# Altium PCB PcbLayout.PcbDoc (part 1 of 2) (continued)
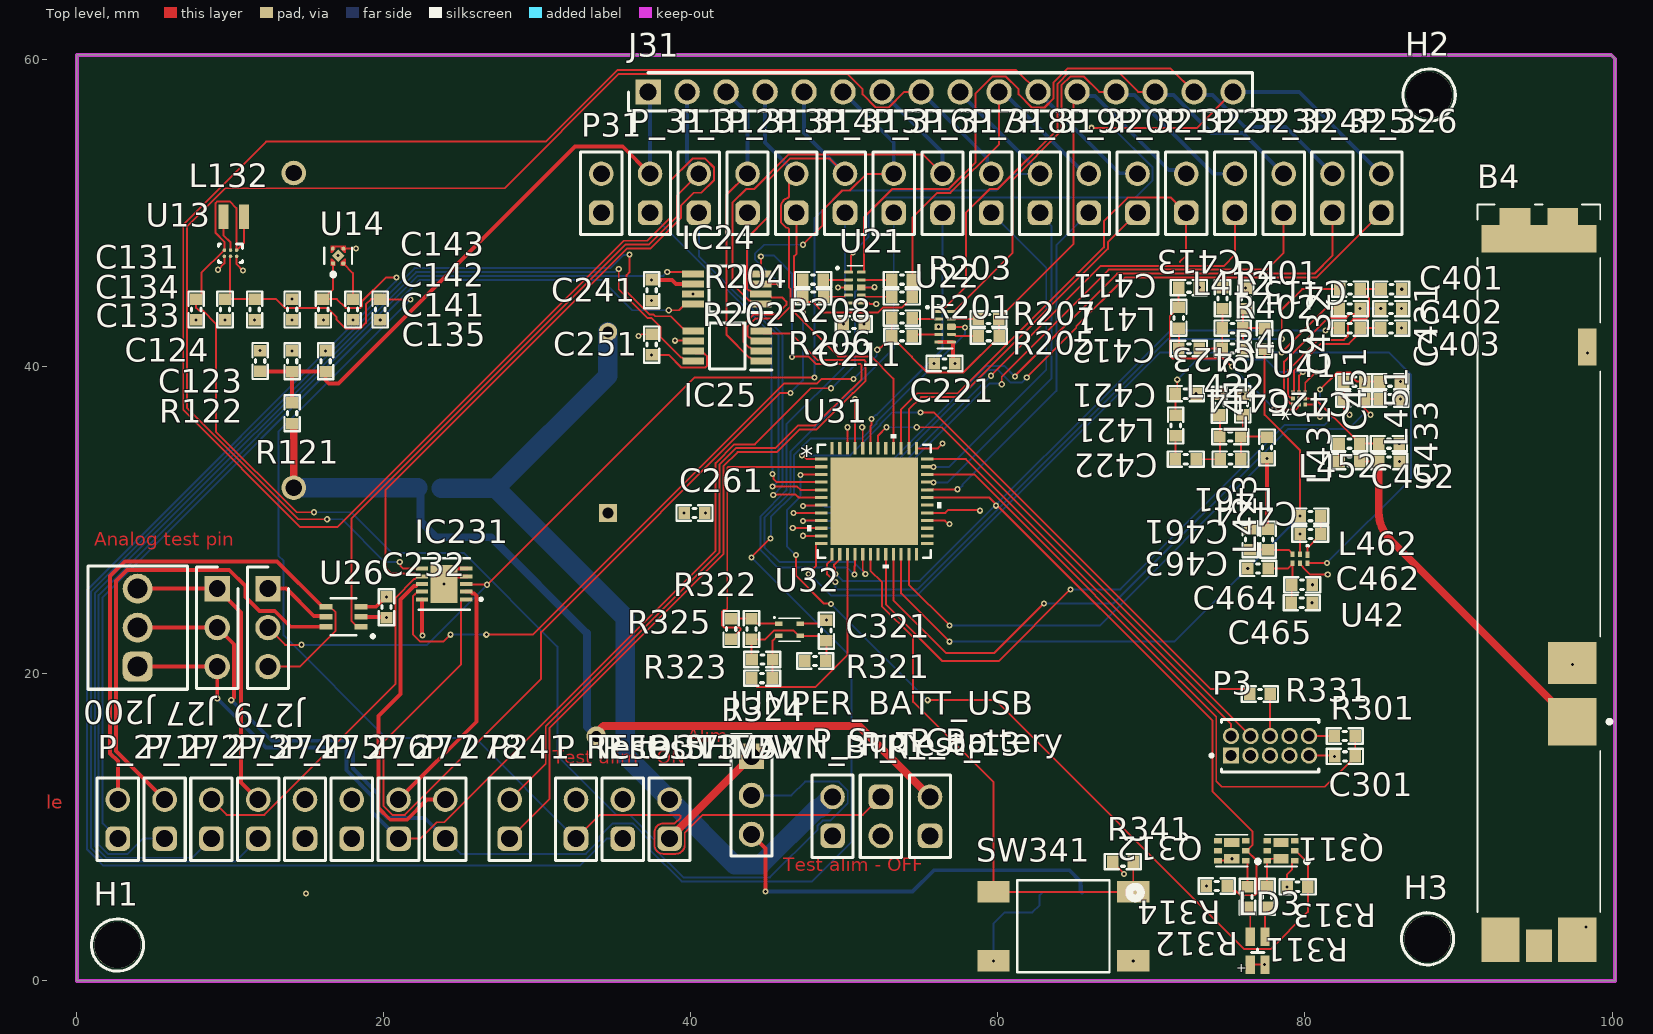
[diagram p0: Top level view]
## Components (designator, comment, footprint, x,y, rotation, side; value= is the part's Value field where it differs from the comment) (continued)
JUMPER_BATT_USB "CONN HEADER VERT 3POS 2.54MM" "CONN HEADER VERT 3POS 2.54MM" 43.942,14.63 r270 top
L132 "2.2µH" INDC2016X10CX 10.225,49.784 r180 top
L411 "8.7nH" INDC1608X06L_WW 71.78,43.195 r90 top
L412 "3nH" INDC1608X06L_WW 75.286,42.52 r180 top
L413 "3.3nH" INDC1608X06L_WW 77.368,41.808 r90 top value=3nH
L421 "8.7nH" INDC1608X06L_WW 71.577,36.184 r90 top
L422 "3.6nH" INDC1608X06L_WW 75.133,35.458 r180 top
L423 "3.6nH" INDC1608X06L_WW 77.521,34.747 r90 top
L431 "11nH" INDC1608X06L_WW 83.214,37.897 r180 top
L451 "24nH" INDC1608X06L_WW 85.482,33.833 r0 top
L452 "1nH" INDC1608X06L_WW 82.891,35.001 r180 top
L461 "33nH" INDC1608X06L_WW 77.593,28.753 r90 top
L462 "47nH" INDC1608X06L_WW 80.351,30.277 r180 top
LD3 "LED RG" LED_RGB_0805 76.911,1.967 r0 top
P3 "FTSH-105-01-F-D-K" HDR_2x5-THT-1.27mm-K 75.184,14.681 r0 top
P31 "Pin header 2p" Pin_header_1x2 34.163,51.308 r90 top
P241_REFOUT_MAX "Pin header 2p" Pin_header_1x2 28.194,10.541 r90 top
P_271 "Pin header 2p" Pin_header_1x2 2.667,10.541 r90 top
P_272 "Pin header 2p" Pin_header_1x2 5.715,10.541 r90 top
P_273 "Pin header 2p" Pin_header_1x2 8.763,10.541 r90 top
P_274 "Pin header 2p" Pin_header_1x2 11.811,10.541 r90 top
P_275 "Pin header 2p" Pin_header_1x2 14.859,10.541 r90 top
P_276 "Pin header 2p" Pin_header_1x2 17.907,10.541 r90 top
P_277 "Pin header 2p" Pin_header_1x2 20.955,10.541 r90 top
P_278 "Pin header 2p" Pin_header_1x2 24.003,10.541 r90 top
P_311 "Pin header 2p" Pin_header_1x2 37.338,51.308 r90 top
P_312 "Pin header 2p" Pin_header_1x2 40.513,51.308 r90 top
P_313 "Pin header 2p" Pin_header_1x2 43.688,51.308 r90 top
P_314 "Pin header 2p" Pin_header_1x2 46.863,51.308 r90 top
P_315 "Pin header 2p" Pin_header_1x2 50.038,51.308 r90 top
P_316 "Pin header 2p" Pin_header_1x2 53.213,51.308 r90 top
P_317 "Pin header 2p" Pin_header_1x2 56.388,51.308 r90 top
P_318 "Pin header 2p" Pin_header_1x2 59.563,51.308 r90 top
P_319 "Pin header 2p" Pin_header_1x2 62.738,51.308 r90 top
P_320 "Pin header 2p" Pin_header_1x2 65.913,51.308 r90 top
P_321 "Pin header 2p" Pin_header_1x2 69.088,51.308 r90 top
P_322 "Pin header 2p" Pin_header_1x2 72.263,51.308 r90 top
P_323 "Pin header 2p" Pin_header_1x2 75.438,51.308 r90 top
P_324 "Pin header 2p" Pin_header_1x2 78.613,51.308 r90 top
P_325 "Pin header 2p" Pin_header_1x2 81.788,51.308 r90 top
P_326 "Pin header 2p" Pin_header_1x2 84.963,51.308 r90 top
P_Battery "Pin header 2p" Pin_header_1x2 55.575,10.719 r90 top
P_SHTDWN_BTRY "Pin header 2p" Pin_header_1x2 38.608,10.541 r90 top
P_Sup_Cap "Pin header 2p" Pin_header_1x2 49.225,10.719 r90 top
P_test_1V5 "Pin header 2p" Pin_header_1x2 35.56,10.541 r90 top
P_Test_3V3 "Pin header 2p" Pin_header_1x2 32.512,10.541 r90 top
P_Test_13 "Pin header 2p" Pin_header_1x2 52.375,10.719 r270 top
Q311 "DMN1029UFDB" MOSFET_DMP2160UFDB-7 78.435,8.486 r180 top
Q312 "DMN1029UFDB" MOSFET_DMP2160UFDB-7 75.235,8.486 r180 top
R110 "*" RESC1608X04.5L 23.063,32.106 r0 bottom
R121 "7.5M" RESC1608X04.5L 14.021,36.982 r90 top
R122 "3.6M" RESC1608X04.5L 16.205,40.371 r90 top
R201 "*" RESC1608X04.5L 53.746,44.568 r0 top
R202 "*" RESC1608X04.5L 47.97,44.568 r180 top
R203 "*" RESC1608X04.5L 53.746,45.685 r0 top
R204 "*" RESC1608X04.5L 47.955,45.685 r180 top
R205 "*" RESC1608X04.5L 59.396,42.004 r0 top
R206 "*" RESC1608X04.5L 53.757,42.004 r180 top
R207 "*" RESC1608X04.5L 59.382,43.121 r0 top
R208 "*" RESC1608X04.5L 53.743,43.172 r180 top
R301 "" RESC1608X04.5L 82.586,15.951 r0 top
R311 "" RESC1608X04.5L 77.521,5.486 r270 top
R312 "" RESC1608X04.5L 76.251,5.472 r270 top
R313 "" RESC1608X04.5L 79.517,6.132 r0 top
R314 "" RESC1608X04.5L 74.255,6.183 r0 top
R321 "" RESC1608X04.5L 48.093,20.843 r180 top
R322 "10k" RESC1608X04.5L 43.942,22.925 r270 top value="10K ohm"
R323 "10k" RESC1608X04.5L 44.653,20.944 r180 top value="10k ohm"
R324 "" RESC1608X04.5L 44.639,19.725 r0 top
R325 "" RESC1608X04.5L 42.621,22.925 r90 top
R331 "" RESC1608X04.5L 77.064,18.694 r180 top
R341 "10k" RESC1608X04.5L 68.137,7.772 r180 top value="10K ohm"
R401 "100R" RESC1608X04.5L 82.935,45.06 r0 top value=100
R402 "100R" RESC1608X04.5L 82.92,43.79 r0 top value=100
R403 "100R" RESC1608X04.5L 82.92,42.52 r180 top value=100
R441 "0R" RESC1608X04.5L 95.86,37.948 r270 bottom value=0
R442 "0R" RESC1608X04.5L 98.501,36.271 r270 bottom value=0
R443 "0R" RESC1608X04.5L 95.961,34.646 r270 bottom value=0
R444 "0R" RESC1608X04.5L 98.501,32.969 r270 bottom value=0
R445 "0R" RESC1608X04.5L 95.961,31.242 r270 bottom value=0
R446 "0R" RESC1608X04.5L 96.331,1.778 r180 bottom value=0
R447 "0R" RESC1608X04.5L 95.352,4.383 r90 bottom value=0
R448 "0R" RESC1608X04.5L 93.675,4.318 r270 bottom value=0
R449 "0R" RESC1608X04.5L 92.71,1.778 r180 bottom value=0
SW341 "PB SW" Switch-PB-6.2x6.3mm-SMD 64.262,3.556 r180 top
U13 "TPS610994YFFT" YFF0006AFAD 10.008,47.4 r270 top
U14 "TPS7A0215PDQNR" DQN0004A-MFG 17.018,47.244 r90 top
U21 "TMUX1104DQAR" TMUX1104DQAR 50.687,45.169 r0 top
U22 "TMUX1104DQAR" TMUX1104DQAR 56.551,42.613 r0 top
U26 "TMUX1119DCKR" SC70_200X125_6N 17.374,23.724 r180 top
U31 "STM32WLE5CCU7" UFQFPN_5CCU7_STM 51.943,31.242 r0 top
U32 "SHT40-AD1B-R2" SHT4X 46.431,22.875 r0 top
U41 "BGS13S4N9E6327XTSA1" TSNP-9-3_INF 79.616,37.948 r90 top
U42 "NX3L1T3157GM,115" XSON6_SOT886_NXP 79.676,27.495 r270 top
U100 "473460001" 47346-0001_MOL 64.179,3.179 r180 bottom

## Footprints (in the part's own frame and the unit in brackets; to place one, negate y for a bottom-side part, rotate by r counter-clockwise, add the part's x,y. Pads: shape width x height; smd on the part's side, far side on the other; paste and mask are expansions set on the pad)
05-08-1699_ADI [mm]
  rect 0.808x0.255 smd paste+0 mask+0: 1(-1.445,1) 2(-1.445,0.5) 3(-1.445,0) 4(-1.445,-0.5) 5(-1.445,-1) 6(1.445,-1) 7(1.445,-0.5) 8(1.445,0) 9(1.445,0.5) 10(1.445,1)
  rect 1.753x2.489 smd paste+0 mask+0: 11(0,0)
  silkscreen extent -2.5,-1.68 1.68,1.68, body extent -1.55,-1.55 1.55,1.55, height 0.81
47346-0001_MOL [mil]
  rect 18x54 smd paste+0 mask+0: 1(-51.18,101.58) 2(-25.59,101.58) 3(0,101.58) 4(25.59,101.58) 5(51.18,101.58)
  rect 61x56 smd paste-30.5 mask-30.5: 6(-97.93,98.24) 7(97.93,98.24)
  rect 51x65 smd paste-32.5 mask-32.5: 8(-132.87,-3.14) 9(132.87,-3.14)
  rect 71x75 smd paste-37.5 mask-37.5: 10(-45.28,-3.14)
  rect 39x75 smd paste-37.5 mask-37.5: 11(61,-3.14)
  silkscreen extent -202,-118 117,117
BatteryHolder2477 [mil]
  round 63 hole 42: N(0,255.91) P(0,-551.18)
  silkscreen extent -545,-630 545,545, body extent -545,-630 545,545, height 540
CAPC1608X06L [mm]
  rect 0.75x0.8 smd: 1(-0.675,0) 2(0.675,0)
  silkscreen extent -1.17,-0.5 1.17,0.5, body extent -0.8,-0.43 0.8,0.43, height 0.8
"CONN HEADER VERT 3POS 2.54MM" [mm]
  rect 1.65x1.65 hole 1.1: 1(0,0)
  round 1.65 hole 1.1: 2(2.54,0) 3(5.08,0)
  silkscreen extent -1.42,-1.35 6.5,1.35, body extent -1.27,-1.27 6.35,1.27, height 8.69
CONN_3P_691210910003 [mm] "2,54mm - modular - green - Horizontal wire entry - Cage clamp - 0,8mm2 wires - 03p"
  rrect50% 1.95x1.95 hole 1.3: 1(-2.54,0)
  round 1.95 hole 1.3: 2(0,0) 3(2.54,0)
  silkscreen extent -4.01,-3.25 4.01,3.25, body extent -4.01,-3.25 4.01,3.25, height 8.55
DQN0004A-MFG [mm]
  round 0.279 smd paste-0.127 mask-0.127: 1(-0.505,0.33) 2(-0.505,-0.33)
  round 0.251 smd paste-0.113 mask-0.114: 3(0.459,-0.346) 4(0.459,0.346)
  rect 0.58x0.58 smd rot 135 paste-0.277 mask-0.279: 5(0,0)
  Top level region: -0.66,0.175 -0.66,0.485 -0.2,0.485 -0.2,0.385 -0.41,0.175
  Top level region: 0.66,-0.175 0.66,-0.485 0.2,-0.485 0.2,-0.385 0.41,-0.175
  Top level region: 0.66,0.175 0.66,0.485 0.2,0.485 0.2,0.385 0.41,0.175
  Top level region: -0.66,-0.175 -0.66,-0.485 -0.2,-0.485 -0.2,-0.385 -0.41,-0.175
  silkscreen extent -1.35,-0.9 0.53,0.9
HDR_2x5-THT-1.27mm-K [mm]
  rect 1.06x1.06 hole 0.71 mask+0.05: 01(0,0)
  round 1.06 hole 0.71 mask+0.05: 02(0,1.27) 03(1.27,0) 04(1.27,1.27) 05(2.54,0) 06(2.54,1.27) 07(3.81,0) 08(3.81,1.27) 09(5.08,0) 10(5.08,1.27)
  silkscreen extent -1.37,-1.08 5.71,2.35, body extent -0.63,-1.89 5.72,3.19, height 5.73
HOLE_NP_3MM [mm]
  round 3 hole 3 unplated paste+0 mask+0: 1(0,0)
  silkscreen extent -1.7,-1.7 1.7,1.7
INDC1608X06L_WW [mm]
  rect 0.75x0.8 smd: 1(-0.675,0) 2(0.675,0)
  silkscreen extent -1.17,-0.5 1.17,0.5, body extent -0.8,-0.45 0.8,0.45, height 0.81
INDC2016X10CX [mm]
  rect 0.65x1.6 smd: 1(-0.675,0) 2(0.675,0)
  body extent -1,-0.8 1,0.8, height 1
LED_RGB_0805 [mm]
  rect 0.6x1.2 smd paste+0 mask+0.05: 1(-0.475,0.9) 2(0.475,0.9) 3(0.475,-0.9) 4(-0.475,-0.9)
  silkscreen extent -0.41,-0.1 0.41,0.1, body extent -0.63,-1 0.63,1, height 0.45
MAX5523EUA+ [mm]
  rect 1.425x0.45 smd: 1(-2.212,0.975) 2(-2.212,0.325) 3(-2.212,-0.325) 4(-2.212,-0.975) 5(2.212,-0.975) 6(2.212,-0.325) 7(2.212,0.325) 8(2.212,0.975)
  silkscreen extent -2.93,-1.5 1.15,1.55, body extent -2.45,-1.5 2.45,1.5, height 1.1
MOSFET_DMP2160UFDB-7 [mm]
  rect 0.5x0.35 smd mask+0.04: 1(-0.9,0.65)
  rect 0.5x0.35 smd mask+0.05: 2(-0.9,0) 3(-0.9,-0.65) 4(0.9,-0.65) 5(0.9,0) 6(0.9,0.65)
  rect 1x0.6 smd mask+0.05: 3(0,-0.525) 6(0,0.525)
  silkscreen extent -1.8,-1.04 1.04,1.04, body extent -1.11,-1 1.11,1, height 0.7
P822601 [mm]
  rect 3.1x3.15 smd: 1(-8.9,-2.175)
  rect 2.73x3.15 smd: 2(-5.085,-2.175)
  rect 1.8x7.5 smd: 3(22.55,0)
  rect 1.1x2 smd: 3_1(24,1.55) 3_2(24,-1.55)
  rect 2.4x1.2 smd: 4(15.5,-3.15)
  rect 2.9x2.5 smd: 5(-23.1,2.5) 7(-23.1,-2.5)
  rect 2.1x1.7 smd: 6(-23.5,0)
  silkscreen extent -21.3,-4.7 24.8,4, body extent -24.8,-4 24.8,4, height 3.52
Pin_header_1x2 [mm] "Pin Header, pitch 2.54 mm, THT, Vertical, single row, 2p"
  rrect50% 1.6x1.6 hole 1.1: 1(-1.27,0)
  round 1.6 hole 1.1: 2(1.27,0)
  silkscreen extent -2.69,-1.35 2.69,1.35, body extent -2.54,-1.27 2.54,1.27, height 8.57
PinStrip_16p [mm]
  rect 1.65x1.65 hole 1.1: 1(0,0)
  round 1.65 hole 1.1: 2(2.54,0) 3(5.08,0) 4(7.62,0) 5(10.16,0) 6(12.7,0) 7(15.24,0) 8(17.78,0) 9(20.32,0) 10(22.86,0) 11(25.4,0) 12(27.94,0) 13(30.48,0) 14(33.02,0) 15(35.56,0) 16(38.1,0)
  silkscreen extent -1.27,-1.25 39.37,1.25, body extent -1.27,-1.25 39.37,1.25, height 8.47
RESC1608X04.5L [mm]
  rect 0.75x0.8 smd: 1(-0.675,0) 2(0.675,0)
  silkscreen extent -1.17,-0.5 1.17,0.5, body extent -0.77,-0.43 0.77,0.43, height 0.55
SC70_200X125_6N [mil]
  rect 33.5x14 smd paste+0 mask+2: 1(-44.75,25.59) 2(-44.75,0) 3(-44.75,-25.59) 4(44.75,-25.59) 5(44.75,0) 6(44.75,25.59)
  silkscreen extent -79,-48 33,54, body extent -48,-43 48,43, height 43
SHT4X [mm]
  rect 0.5x0.3 smd: 1(-0.7,0.4) 2(-0.7,-0.4) 3(0.7,-0.4) 4(0.7,0.4)
  silkscreen extent -1.05,-0.75 0.7,0.85, body extent -0.75,-0.75 0.75,0.75, height 0.54
Switch-PB-6.2x6.3mm-SMD [mm]
  rect 2.1x1.4 smd: 1(-4.55,2.25) 1(4.55,2.25) 2(-4.55,-2.25) 2(4.55,-2.25)
  silkscreen extent -3,-3 3,3, body extent -5,-3 5,3, height 4.39
TH_SUPCAP_PHVL3R9V474R [mm]
  rect 1.2x1.2 hole 0.7: 1(0,0)
  round 1.2 hole 0.7: 2(11.8,0)
  silkscreen extent -2.75,-4.5 14.55,4.5, body extent -2.5,-4.29 14.3,4.21, height 13.65
TMUX1104DQAR [mm]
  rrect50% 0.565x0.2 smd mask+0.05: 1(-0.417,1) 2(-0.417,0.5) 4(-0.417,-0.5) 5(-0.417,-1) 6(0.417,-1) 7(0.417,-0.5) 9(0.417,0.5) 10(0.417,1)
  rrect25% 0.565x0.4 smd paste-1 mask+0.05: 3(-0.417,0) 8(0.417,0)
  silkscreen extent -1.22,-1.42 0.5,1.42, body extent -0.5,-1.25 0.5,1.25, height 0.55
TSNP-9-3_INF [mil]
  rect 10x10 smd paste+0 mask+0: 1(-15.5,15.75) 2(-15.5,0) 3(-15.5,-15.75) 4(0,-15.5) 5(15.5,-15.75) 6(15.5,0) 7(15.5,15.75) 8(0,15.5) 9(0,0)
UFQFPN_5CCU7_STM [mil]
  rect 32x8 smd paste+0 mask+0: 1(-136,108.3) 2(-136,88.61) 3(-136,68.91) 4(-136,49.22) 5(-136,29.53) 6(-136,9.84) 7(-136,-9.84) 8(-136,-29.53) 9(-136,-49.22) 10(-136,-68.91) 11(-136,-88.61) 12(-136,-108.3) 25(136,-108.3) 26(136,-88.61) 27(136,-68.91) 28(136,-49.22) 29(136,-29.53) 30(136,-9.84) 31(136,9.84) 32(136,29.53) 33(136,49.22) 34(136,68.91) 35(136,88.61) 36(136,108.3)
  rect 8x32 smd paste+0 mask+0: 13(-108.3,-136) 14(-88.61,-136) 15(-68.91,-136) 16(-49.22,-136) 17(-29.53,-136) 18(-9.84,-136) 19(9.84,-136) 20(29.53,-136) 21(49.22,-136) 22(68.91,-136) 23(88.61,-136) 24(108.3,-136) 37(108.3,136) 38(88.61,136) 39(68.91,136) 40(49.22,136) 41(29.53,136) 42(9.84,136) 43(-9.84,136) 44(-29.53,136) 45(-49.22,136) 46(-68.91,136) 47(-88.61,136) 48(-108.3,136)
  rect 224x224 smd paste-111.5 mask+0: 49(0,0)
  silkscreen extent -172,-172 172,172, body extent -140,-140 140,140, height 24
XSON6_SOT886_NXP [mil]
  rect 16x10 smd paste+0 mask+0: 1(-10.5,19.68)
  rect 14x10 smd paste+0 mask+0: 2(-11.5,0) 3(-11.5,-19.69) 4(11.5,-19.69) 5(11.5,0) 6(11.5,19.68)
  silkscreen extent -35,17 -32,23, body extent -21,-29 21,29, height 20
YFF0006AFAD [mm]
  round 0.23 smd paste-0.102 mask+0.038: A1(-0.2,0.4) A2(0.2,0.4) B1(-0.2,0) B2(0.2,0) C1(-0.2,-0.4) C2(0.2,-0.4)
  silkscreen extent -0.61,-0.78 0.61,0.78

## Part data
B4: "AVX - P822601 - EMBEDDED ANTENNA, 1.7-2.7GHZ, 3.4DBI", Manufacturer_Name=AVX, Mouser Part Number=581-P822601, Datasheet Link=http://datasheets.avx.com/ethertronics/AVX-E_P822601-P822602.pdf, Geometry.Height=3.5mm, Manufacturer_Part_Number=P822601, Mouser Price/Stock=https://www.mouser.co.uk/ProductDetail/AVX/P822601?qs=vdi0iO8H4N0igrTLYxGIXg%3D%3D
BT?: "Battery holder for coin battery, modello BH1000G"
C111: library part PHVL-3R9V474-R, "Supercapacitors 0.47F, 3.9V working voltage, 5V surge voltage, 1µA leak current"
C123 C124 C131 C133 C134 C135 C141 C142 C143 C211 C221 C232 C241 C251 C261 C301 C321 C401 C402 C403 C411 C412 C413 C414 C415 C421 C422 C423 C424 C425 C431 C432 C433 C451 C452 C461 C462 C463 C464 C465: library part C0603-4µ7, "Capacitor, X5R, ±10%"
H1 H2 H3: library part Hole_3MM_NP, "Regular Non-Plated, 3mm hole"
IC24 IC25: "Integrated Circuit", Manufacturer_Name="Analog Devices", Mouser Part Number=700-MAX5523EUA, Datasheet Link=https://pdfserv.maximintegrated.com/en/ds/MAX5522-MAX5525.pdf, Height=1.1mm, Manufacturer_Part_Number=MAX5523EUA+, Mouser Price/Stock=https://www.mouser.co.uk/ProductDetail/Analog-Devices-Maxim-Integrated/MAX5523EUA%2b?qs=9Cj2FLRihcNj5G7tv6WL1A%3D%3D
IC231: "No Description Available", Mfr_Name="Analog Devices Inc", RefDes=RefDes, Type=Linear
J27 J279 JUMPER_BATT_USB: "Connector", Manufacturer_Name="Wurth Elektronik", Manufacturer_Part_Number=61300311121, Mouser Part Number=710-61300311121, Datasheet Link=http://katalog.we-online.de/em/datasheet/6130xx11121.pdf, Height=8.69mm, Mouser Price/Stock=https://www.mouser.co.uk/ProductDetail/Wurth-Elektronik/61300311121?qs=PhR8RmCirEYxRWFJzNKsUw%3D%3D
J31: "Connector", Arrow Part Number=PH1-16-UA, Manufacturer_Name="Adam Tech", Arrow Price/Stock=https://www.arrow.com/en/products/ph1-16-ua/adam-tech?region=nac, Datasheet Link=https://www.arrow.com/en/products/ph1-16-ua/adam-tech, Height=8.469mm, Manufacturer_Part_Number=PH1-16-UA
J200: library part CONN_3P_691210910003, "WR-TBL Series 2109 Horizontal Entry, THT, pitch 2.54mm, 3p", Manufacturer="Wurth Elektronik", Operating Temperature Max=105°C, Operating Temperature Min=-40°C, Rated Current=6A, Working Voltage=150V, Application="Rising Cage Clamp", Category="Terminal Blocks", ComponentLink1Description="Website Link", ComponentLink1URL=https://www.we-online.com/redexpert/article/691210910003?ad, ComponentLink2Description="Datasheet Link", ComponentLink2URL=https://www.we-online.com/redexpert/spec/691210910003?ad, Manufacturer Part Number=691210910003, Match Code=WR-TBL, Modularity=No, Mount="Through Hole", Number of Pins=3, Number of Rows=1, Orientation=Horizontal, Packaging=Box, Pitch=2.54mm
L132: library part L0806-2µ2-1.53A-163mOhm-TDK, "Shielded wirewound Inductor 1.53 A 163mOhm, ±20%", Package="NON STANDARD-2 TDK", Availability="In Stock", Check_prices=https://www.snapeda.com/parts/VLS201610CX-2R2M-1/TDK/view-part/?ref=eda, MF="TDK Corporation", MP=VLS201610CX-2R2M-1, Price=None, Purchase-URL=https://pricing.snapeda.com/search/part/VLS201610CX-2R2M-1/?ref=eda, SnapEDA_Link=https://www.snapeda.com/parts/VLS201610CX-2R2M-1/TDK/view-part/?ref=snap
L411 L412 L413 L421 L422 L423 L431 L451 L452 L461 L462: library part L0603-33n-Wirewound-Murata, "Inductor, 420mA, ±5%, 230mΩ, Q=40"
LD3: library part APHBM2012LSURKZGKC, "Red green LED 2 mm x 1.25 mm SMD"
P3: library part "Pin Header 2x5 THT, 1.27mm KS", "Connector Header Through Hole 10 position 0.050 (1.27mm)", Package=None, Availability=Bad, MF=Samtec, MP=FTSH-105-01-F-D-K, Price=None, SnapEDA_Link=https://www.snapeda.com/parts/FTSH-105-01-F-D-K/Samtec%20Inc./view-part/229423/?ref=snap, Toby_UK-Purchase-URL=https://snapeda.com/shop?store=Toby+UK&id=229423
P31 P241_REFOUT_MAX P_271 P_272 P_273 P_274 P_275 P_276 P_277 P_278 P_311 P_312 P_313 P_314 P_315 P_316 P_317 P_318 P_319 P_320 P_321 P_322 P_323 P_324 P_325 P_326 P_Battery P_SHTDWN_BTRY P_Sup_Cap P_test_1V5 P_Test_3V3 P_Test_13: "Pin Header, THT, Vertical, pitch 2.54mm, 1 Row, 2P"
Q311 Q312: "Dual N Ch MOFET, 5.6A, 29mOhm max, 1.4W"
R110 R121 R122 R201 R202 R203 R204 R205 R206 R207 R208 R301 R311 R312 R313 R314 R321 R322 R323 R324 R325 R331 R341 R401 R402 R403 R441 R442 R443 R444 R445 R446 R447 R448 R449: library part R0603, "Resistor, ±1%, 0.063W"
SW341: library part Switch-PB-6.2x6.3mm-SMD, "Tactile Switch, SPNO, SMD, 160gf, 6.2x6.3x2.5mm"
U13 U14: "No Description Available", Mfr_Name="Texas Instruments", RefDes=RefDes, Type=TYPE
U21 U22: "Multiplexer 4:1, 3-pA on-state leakage current, 1.08v - 5V supply range"
U26: "2:1 precision switch, low leakage current, 1.08v - 5V supply range", Package="SOT-SC70-6 Texas Instruments", Availability=Unavailable, MF="Texas Instruments", MP=TMUX1119DCKR, Price=None, SnapEDA_Link=https://www.snapeda.com/parts/TMUX1119DCKR/Texas%20Instruments/view-part/3222194/?ref=snap, Texas_Instruments-Purchase-URL=https://snapeda.com/shop?store=Texas+Instruments&id=3222194
U31: "No Description Available", Mfr_Name=STMicroelectronics, RefDes=RefDes, Type=Type
U32: "Humidity/Temperature Sensor Digital Serial (I2C) 4-Pin DFN EP T/R", Package=None, Availability="In Stock", Check_prices=https://www.snapeda.com/parts/SHT40-AD1B-R2/NSI/view-part/?ref=eda, MF="Sensirion AG", MP=SHT40-AD1B-R2, Price=None, Purchase-URL=https://pricing.snapeda.com/search/part/SHT40-AD1B-R2/?ref=eda, SnapEDA_Link=https://www.snapeda.com/parts/SHT40-AD1B-R2/NSI/view-part/?ref=snap
U41: "No Description Available", Mfr_Name=Infineon, RefDes=RefDes, Type=Type
U42: "No Description Available", Mfr_Name=NXP, RefDes=RefDes, Type=Type
U100: "No Description Available", Mfr_Name="Molex Connector Corporation", RefDes=RefDes, Type=Type

## Via types
v1: diameter 0.4, hole 0.2, Top level to Bottom level, 99 vias
v2: diameter 0.4, hole 0.2, Top level to GND, 51 vias
v3: diameter 0.4, hole 0.2, Top level to VDD Islands, 22 vias
v4: diameter 1.27, hole 0.711, Top level to Bottom level, 2 vias

## Nets (pads, with @x,y where several pads share a name; then routed paths per layer and width w, separated by ;. In a path a pad name is that pad's centre, name@x,y a point inside that pad or via, vN(x,y) a via of type N, cw(c..) or ccw(c..) an arc to the next point about the centre after c; other vN are vias at no path point)
1V5: C143.2 P_test_1V5.2 U31.29 U31.45 | length 6.8
  Top level w0.127: U31.45@50.693,34.696 50.696,34.699 50.696,37.894 v3(50.698,37.897) ; U31.29@55.397,30.492 56.58,30.492 56.771,30.683 58.776,30.683 v3(58.826,30.632)
  VDD Islands w0.508: v3(58.826,30.632) v3@58.877,30.683
  other v3: 14.021,44.414
3V3: C211.1 C221.1 C232.1 C241.1 C251.1 C261.1 IC24.6 IC25.6 IC231.10 LD3.3 LD3.4 P31.1 P_Test_3V3.2 R321.2 R341.2 U14.3 U14.4 U21.5 U21.6 U22.5 U22.6 U26.2 U31.11 U42.5 | length 20.2
  Top level w0.127: U14.4@16.672,47.703 16.706,47.703 16.847,47.845 17.189,47.845 17.33,47.703 U14.3@17.364,47.703 17.365,47.702 v3(18.186,47.701) v3(18.186,47.701) ; v3(36.576,42.012) 36.65,42.012 36.766,42.128 C251.1@37.44,42.128 ; v3(38.964,41.707) 40.124,41.707 IC25.6@40.155,41.676 ; v3@47.295,29.007 v3(47.302,28.999) 47.31,28.991 U31.11@48.489,28.991 ; U21.5@50.27,44.169 U21.6@51.105,44.169 51.578,44.169 51.653,44.094 v3(52.07,44.094) ; R341.2@67.462,7.772 67.462,7.747 68.206,7.004 v3(68.206,6.978) ; LD3.4@76.436,1.067 v3(77.368,1.067) ; U42.5@79.676,27.203 79.676,27.153 79.858,26.97 79.858,26.947 80.338,26.467 v3(81.483,26.467)
  Top level w0.254: U26.2@18.51,23.724 18.536,23.698 20.142,23.698 v3(20.168,23.673) ; IC231.10@22.481,24.857 22.481,22.527 v3(22.504,22.504) ; v3(37.44,45.669) 38.761,45.669 39.025,45.405 IC24.6@40.128,45.405 ; U22.5@56.134,41.613 U22.6@56.969,41.613 57.053,41.613 57.08,41.586 57.08,40.336 v3(57.19,40.226)
  other v3: 40.945,30.48 51.286,42.79
A0_Drain: J31.14 P_324.2 U22.1 | length 36.2
  Top level w0.127: U22.1@56.134,43.613 56.317,43.613 57.915,45.212 57.915,50.025 59.477,51.587 59.973,51.587 63.88,55.495 63.88,58.437 64.625,59.181 67.858,59.181 69.127,57.912 J31.14@70.231,57.912
  Bottom level w0.254: J31.14@70.231,57.912 70.423,57.72 71.437,57.72 73.917,55.24 75.951,55.24 P_324.2@78.613,52.578
A0_Gate: J31.16 P_326.2 U21.1 | length 51.8
  Top level w0.127: U21.1@50.27,46.169 50.402,46.169 50.439,46.206 50.439,47.266 50.546,47.373 v1(50.546,47.447) ; v1(66.091,55.575) 72.974,55.575 J31.16@75.311,57.912
  Bottom level w0.127: v1(50.546,47.447) 51.557,48.458 51.557,50.017 52.568,51.029 68.939,51.029 70.079,52.168 70.079,52.988 67.492,55.575 v1(66.091,55.575)
  Bottom level w0.254: J31.16@75.311,57.912 79.629,57.912 P_326.2@84.963,52.578
A1_Drain: J31.13 P_323.2 U22.10 | length 32
  Top level w0.127: U22.10@56.969,43.613 57.152,43.613 60.959,47.421 60.959,52.2 64.134,55.375 64.134,58.332 64.73,58.927 65.572,58.927 66.587,57.912 J31.13@67.691,57.912
  Bottom level w0.254: J31.13@67.691,57.912 67.883,57.72 68.897,57.72 74.039,52.578 P_323.2@75.438,52.578
A1_Gate: J31.15 P_325.2 U21.10 | length 46.2
  Top level w0.127: U21.10@51.105,46.169 51.237,46.169 51.274,46.206 51.274,49.734 53.127,51.587 56.798,51.587 58.546,53.336 58.546,57.824 59.65,58.927 60.492,58.927 61.341,58.078 61.341,57.746 62.19,56.897 63.032,56.897 63.626,57.491 63.626,58.542 64.52,59.435 71.248,59.435 J31.15@72.771,57.912
  Bottom level w0.254: J31.15@72.771,57.912 72.963,57.72 73.977,57.72 76.076,55.621 78.745,55.621 P_325.2@81.788,52.578
ANALOG1: C123.2 C124.2 J31.1 P_311.2 R121.2 R122.1 | length 40.6
  Top level w0.127: C123.2@14.006,39.711 C123.2@14.021,39.696
  Top level w0.254: C124.2@11.938,39.711 C123.2@14.006,39.711 ; R121.2@14.021,37.657 C123.2@14.021,39.696 R122.1@16.205,39.696 16.205,39.131 16.411,38.925 17.031,38.925 32.461,54.356 35.56,54.356 P_311.2@37.338,52.578
  Bottom level w0.254: J31.1@37.211,57.912 37.338,57.785 P_311.2@37.338,52.578
ANALOG2: J31.2 P_312.2 U26.1 | length 45.8
  Top level w0.127: U26.1@18.51,23.074 18.263,23.074 17.894,23.442 17.894,30.131 35.727,47.963 37.257,47.963 39.107,49.813 39.107,51.172 P_312.2@40.513,52.578
  Bottom level w0.254: J31.2@39.751,57.912 39.751,53.34 P_312.2@40.513,52.578
ANALOG3: IC25.1 J31.3 P_313.2 | length 19.9
  Top level w0.127: P_313.2@43.688,52.578 42.316,51.206 42.316,42.082 43.788,40.61 43.857,40.61 44.092,40.376 IC25.1@44.579,40.376
  Bottom level w0.254: J31.3@42.291,57.912 43.688,56.515 P_313.2@43.688,52.578
ANALOG4: IC25.3 J31.4 P_314.2 | length 20.6
  Top level w0.127: IC25.3@44.579,41.676 44.092,41.676 43.857,41.91 43.788,41.91 43.676,42.022 43.676,42.63 44.209,43.163 45.706,43.163 46.475,43.932 46.475,45.077 46.391,45.162 46.391,48.981 46.306,49.065 46.201,49.065 46.045,49.22 45.872,49.393 45.872,49.638 45.872,50.438 cw(c46.463,50.438) 46.32,51.011 46.343,51.034 46.38,51.072 46.38,52.095 P_314.2@46.863,52.578
  Bottom level w0.254: J31.4@44.831,57.912 44.831,54.61 P_314.2@46.863,52.578
ANALOG5: IC24.2 IC25.2 J31.5 P_315.2 | length 29.1
  Top level w0.127: IC25.2@44.579,41.026 44.092,41.026 43.857,41.26 43.788,41.26 43.422,41.626 43.422,42.735 44.104,43.417 45.601,43.417 46.221,44.037 46.221,44.254 45.955,44.52 45.274,44.52 45.039,44.755 44.064,44.755 43.83,44.989 43.76,44.989 43.649,45.101 43.649,48.364 45.051,49.766 45.051,52.166 46.453,53.569 49.047,53.569 P_315.2@50.038,52.578
  Bottom level w0.254: J31.5@47.371,57.912 47.371,55.245 P_315.2@50.038,52.578
ANALOG6: IC24.3 J31.6 P_316.2 | length 22.3
  Top level w0.127: IC24.3@44.552,45.405 45.76,45.405 v1(45.771,45.415) ; v1(47.295,47.955) 48.575,49.235 48.575,50.21 49.854,51.489 50.35,51.489 51.439,52.578 P_316.2@53.213,52.578
  Bottom level w0.127: v1(45.771,45.415) 44.161,47.025 44.161,47.355 44.761,47.955 v1(47.295,47.955)
  Bottom level w0.254: J31.6@49.911,57.912 53.213,54.61 P_316.2@53.213,52.578
ANALOG7: IC24.1 J31.7 P_317.2 | length 30.1
  Top level w0.127: IC24.1@44.552,44.105 44.064,44.105 43.83,44.339 43.76,44.339 42.697,45.402 42.697,50.683 43.602,51.587 44.113,51.587 46.348,53.823 55.143,53.823 P_317.2@56.388,52.578
  Bottom level w0.254: J31.7@52.451,57.912 56.388,53.975 P_317.2@56.388,52.578
ANALOG8: IC231.6 J31.8 P_318.2 | length 92.3
  Top level w0.127: v1(16.307,30.074) 14.417,30.074 7.182,37.309 7.182,49.169 9.651,51.638 27.864,51.638 35.306,59.08 50.179,59.08 51.181,58.078 51.181,57.746 52.03,56.897 52.872,56.897 53.887,57.912 J31.8@54.991,57.912 ; v1(21.031,27.28) 21.083,27.227 21.083,27.025 21.251,26.857 IC231.6@22.481,26.857
  Bottom level w0.127: v1(16.307,30.074) 17.272,30.074 20.066,27.28 v1(21.031,27.28)
  Bottom level w0.254: J31.8@54.991,57.912 59.305,53.598 59.305,52.836 P_318.2@59.563,52.578
ANALOG9: IC231.3 J31.9 J279.2 P_319.2 | length 78.4
  Top level w0.127: J279.2@12.446,23.012 13.564,21.895 14.63,21.895 v1(14.635,21.899) ; IC231.3@25.372,25.857 25.398,25.832 26.695,25.832 v1(26.721,25.806) 40.234,39.319 v1(48.057,39.319)
  Bottom level w0.127: v1(14.635,21.899) 14.639,21.895 22.809,21.895 v1(26.721,25.806) ; v1(48.057,39.319) 48.057,49.692 49.854,51.489 59.875,51.489 60.964,52.578 P_319.2@62.738,52.578
  Bottom level w0.254: J31.9@57.531,57.912 57.531,57.848 62.738,52.642 P_319.2@62.738,52.578
ANALOG10: IC231.1 J31.10 P_320.2 R201.2 R202.2 R203.2 R204.2 | length 95.7
  Top level w0.127: IC231.1@25.372,24.857 25.096,24.857 25.032,24.793 25.032,20.631 19.964,15.563 19.964,11.401 20.545,10.82 21.365,10.82 30.235,19.69 30.235,22.723 45.815,38.303 v1(46.482,38.303) ; R204.2@47.28,45.685 47.295,45.671 R202.2@47.295,44.568 R202.2@47.295,44.543 ; v1(47.295,43.536) R202.2@47.295,44.543 ; J31.10@60.071,57.912 60.071,54.501 56.903,51.333 56.048,51.333 54.421,49.706 R203.2@54.421,45.685 R201.2@54.421,44.568 54.421,44.543 53.757,43.879 52.515,43.879 52.172,43.536 48.632,43.536 47.937,44.231 47.606,44.231 R202.2@47.295,44.543
  Bottom level w0.127: v1(46.482,38.303) 47.295,39.116 v1(47.295,43.536)
  Bottom level w0.254: J31.10@60.071,57.912 60.325,57.912 65.659,52.578 P_320.2@65.913,52.578
ANALOG11: IC231.7 J31.11 P_273.2 P_321.2 | length 193.1
  Top level w0.127: P_273.2@8.763,11.811 9.754,10.82 12.221,10.82 20.758,19.357 20.758,24.974 21.96,26.175 22.023,26.175 IC231.7@22.205,26.357 ; J31.11@62.611,57.912 61.189,59.334 35.201,59.334 30.54,54.673 12.327,54.673 6.928,49.274 6.928,37.204 14.566,29.566 16.97,29.566 35.621,48.217 37.152,48.217 38.627,49.692 38.627,52.093 40.103,53.569 40.923,53.569 41.504,52.988 41.504,52.168 40.68,51.344 40.184,51.344 39.361,50.521 39.361,49.707 37.362,47.709 35.832,47.709 20.117,31.994 20.117,26.924 20.502,26.539 22.023,26.539 IC231.7@22.205,26.357 ; IC231.7@22.205,26.357 IC231.7@22.481,26.357 IC231.7@22.205,26.357
  Bottom level w0.254: J31.11@62.611,57.912 67.907,52.616 69.05,52.616 P_321.2@69.088,52.578
ANALOG12: IC231.9 J31.12 P_322.2 R205.2 R206.2 R207.2 R208.2 | length 80.6
  Top level w0.127: IC231.9@22.481,25.357 22.205,25.357 22.023,25.175 21.998,25.175 21.887,25.064 21.887,22.57 22.343,22.114 23.892,22.114 v1(24.333,22.555) ; v1(26.67,22.555) 29.708,22.555 46.082,38.929 48.219,38.929 48.507,39.218 v1(50.597,39.218) ; v1(52.139,41.115) 52.275,41.251 52.355,41.251 R206.2@53.082,41.979 ; R208.2@53.068,43.172 53.082,43.157 R206.2@53.082,42.004 R206.2@53.082,41.979 ; J31.12@65.151,57.912 64.922,57.683 64.922,48.012 60.057,43.146 R207.2@60.057,43.121 60.071,43.107 R205.2@60.071,42.004 60.071,41.979 57.728,39.635 55.386,39.635 54.39,40.631 54.39,40.671 R206.2@53.082,41.979
  Bottom level w0.127: v1(24.333,22.555) v1(26.67,22.555) ; v1(50.597,39.218) 52.104,40.725 52.104,41.08 v1(52.139,41.115)
  Bottom level w0.254: J31.12@65.151,57.912 65.418,57.645 66.314,57.645 71.123,52.836 72.005,52.836 P_322.2@72.263,52.578
BT_POS: BT?.P P_Battery.2 R110.1 R121.1 | length 59.6
  Top level w0.127: R121.1@14.021,36.307 R121.1@14.122,36.206
  Top level w0.508: BT?.P@14.122,32.129 R121.1@14.122,36.206 ; v4(33.834,15.924) 33.834,16.13 34.308,16.605 34.308,16.612 50.952,16.612 P_Battery.2@55.575,11.989
  Bottom level w0.127: R110.1@22.208,32.129 R110.1@22.388,32.309
  Bottom level w0.508: R110.1@22.388,32.106 22.388,29.936 23.419,28.905 26.975,28.905 33.223,22.657 33.223,16.561 33.834,15.95 v4(33.834,15.924)
  Bottom level w1.27: BT?.P@14.122,32.129 R110.1@22.208,32.129
CS_DRAIN_MICRO: P_313.1 U31.6 | length 22.8
  Top level w0.127: v1(45.364,31.648) 45.415,31.699 46.811,31.699 47.018,31.492 U31.6@48.489,31.492
  Bottom level w0.127: v1(43.688,50.038) 43.688,44.406 45.964,42.131 45.964,32.248 v1(45.364,31.648)
CS_GATE_MICRO: P_317.1 U31.43 | length 17.3
  Top level w0.127: U31.43@51.693,34.696 51.693,36.144 51.752,36.203 v1(51.752,36.598)
  Bottom level w0.127: v1(51.752,36.598) 52.031,36.876 52.116,36.876 56.388,41.148 v1(56.388,50.038)
D1: Q311.6 R311.1 | length 2.6
  Top level w0.127: R311.1@77.521,6.161 77.521,7.822 Q311.6@77.535,7.836 77.647,7.947 77.783,7.947 77.796,7.961 Q311.6@78.435,7.961
D2: Q312.1 R312.1 | length 1.7
  Top level w0.127: Q312.1@76.135,7.836 76.139,7.836 76.251,7.724 R312.1@76.251,6.147
DIN_DRAIN_MICRO: P_314.1 U31.40 | length 19.4
  Top level w0.127: P_314.1@46.863,50.038 46.863,47.341 46.715,47.193 46.715,45.197 46.729,45.182 46.729,43.549 49.587,40.691 51.745,40.691 53.193,39.243 U31.40@53.193,34.696
DIN_GATE_MICRO: P_316.1 U31.17 | length 33.9
  Top level w0.127: U31.17@51.193,27.788 51.193,26.757 51.359,26.591 v1(51.359,26.518)
  Bottom level w0.127: v1(51.359,26.518) 50.597,27.28 45.771,27.28 44.792,28.259 44.792,30.164 46.472,31.844 46.472,34.48 53.213,41.221 v1(53.213,50.038)